# KiCad board input-output.Multi.kicad_pcb (continued)
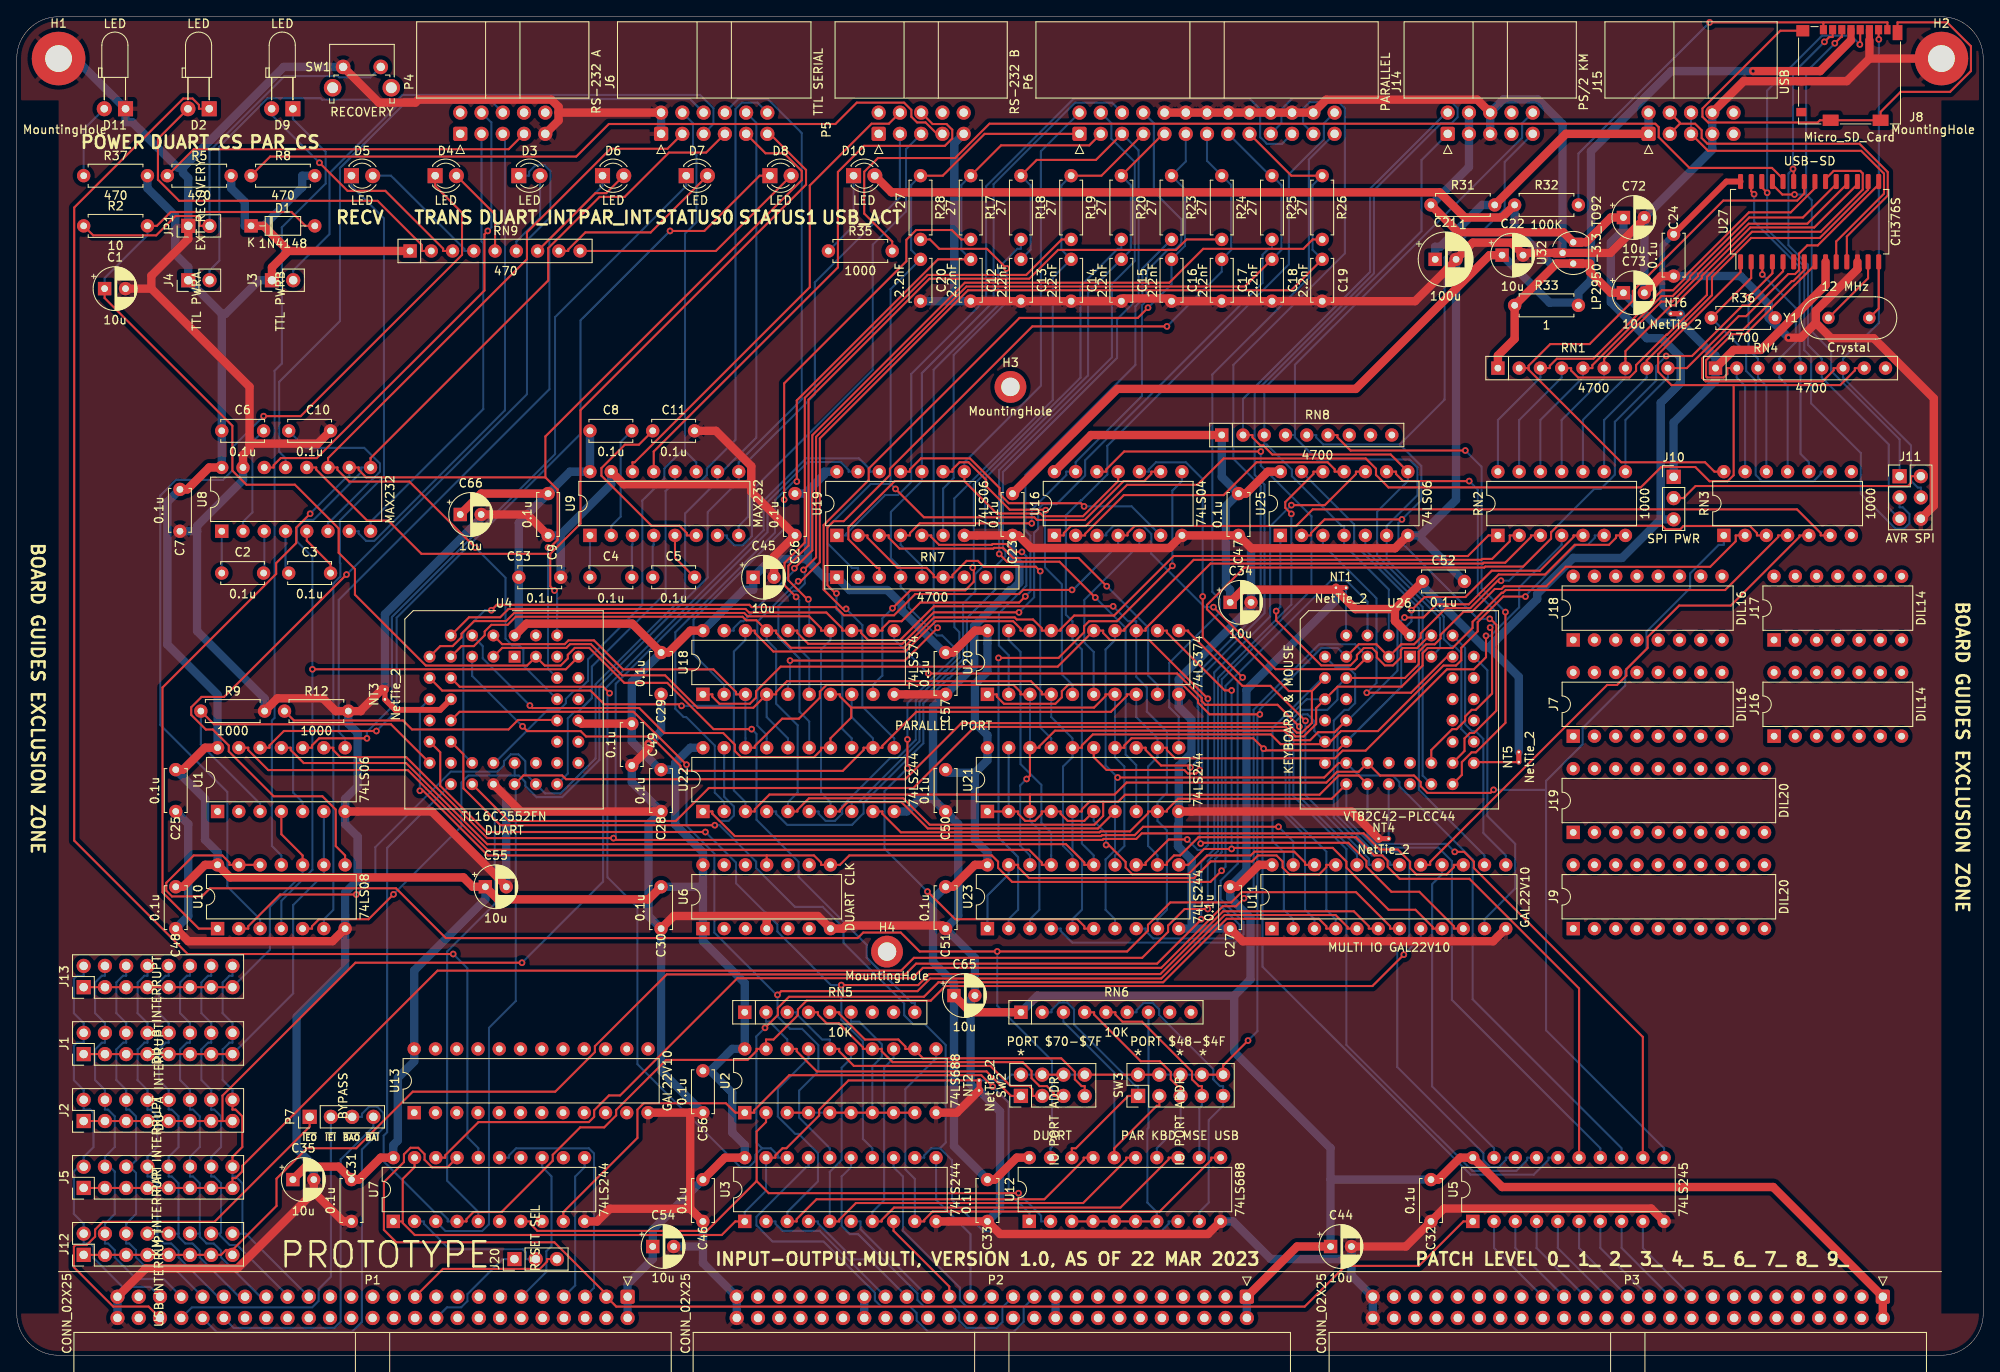
[diagram p0: board, top side]
## Routing (per net, layer and track width the routed paths; a pad name or vN(x,y) marks a point on that pad's centre or on a via; arc(x,y) is an arc through that point) (continued)
/parallel/~{STROBE}: length 114.6
  Top w0.25: R28.1 110.66,141 115.66,146 P6.1 ; U16.9 135.57,105.62 135.57,105.34 134.73,104.49 132.28,104.49 127.63,99.85 121.92,99.85 121.6,100.17 108.4,100.17 v1(105.01,103.56)
  Bottom w0.25: 104.42,104.15 v1(105.01,103.56) ; 104.42,104.15 104.42,127.42 C20.1 106.87,132.13 106.87,139.87 R28.1 ; 104.42,104.15 102.06,104.15 96.87,98.96 96.87,97.05 99.8,94.13 100.54,94.13 RN7.2
/USB-SD/RST: length 39.5
  Top w0.25: U27.2 207.26,128.76 R36.1
  Bottom w0.25: R36.1 206.67,119.83 206.67,117.65 207.81,116.51 207.81,105.22 208.53,104.49 214.73,104.49 215.57,105.34 215.57,105.62 RN3.9
/USB-SD/SDCK: length 82.1
  Top w0.25: v1(209.18,138.96) 208.53,139.6 U27.26 ; J8.5 220.29,156.73 v1(220.25,156.69)
  Bottom w0.25: v1(220.25,156.69) 219.2,157.74 215.74,157.74 209.18,151.18 v1(209.18,138.96) 209.18,134.6 213.6,130.17 213.6,120.15 214.43,119.32 214.43,113.79 220.37,107.85 220.37,102.96 224.52,98.81 225.55,98.81 226.18,99.44 226.18,100.56 225.37,101.36 225,101.36 J11.3
/USB-SD/SDCS: length 67.9
  Top w0.25: v1(216.02,157) 216.6,157.57 217,157.57 J8.2 ; v1(212.26,141.81) 212.34,141.72 U27.23
  Bottom w0.25: J11.5 223.71,101.29 223.71,108.87 215.7,116.87 RN4.6 215.7,119.13 214.05,120.77 214.05,130.35 211.71,132.69 211.71,141.26 v1(212.26,141.81) 212.26,153.24 v1(216.02,157)
/USB-SD/SDDI: length 64.7
  Top w0.25: v1(217.26,156.83) 218.01,157.57 218.09,157.57 J8.3 ; v1(212.44,138.75) 210.99,138.75 209.81,139.94 U27.25
  Bottom w0.25: 213.83,138.75 213.83,153.4 v1(217.26,156.83) ; 213.83,138.75 v1(212.44,138.75) ; 213.83,138.75 214.5,138.07 214.5,122.36 216.83,120.04 216.83,117.65 225,109.48 J11.1
/USB-SD/SDDO: length 99.5
  Top w0.25: U27.7 213.62,129.71 212.3,128.4 212.12,128.4 206.28,122.56 204.83,122.56 201.41,119.14 201.41,116.83 201.82,116.42 215.82,116.42 217.11,117.72 217.11,118 RN4.7 ; J8.7 222.5,157.32 v1(222.52,157.29)
  Bottom w0.25: J11.4 227.54,103.72 227.17,103.72 226.36,104.52 226.36,108.75 218.24,116.87 RN4.7 218.24,119.13 222.52,123.4 v1(222.52,157.29)
/USB-SD/UD+: length 40.5
  Top w0.25: J15.5 202.11,143.97 220.41,143.97 223.14,141.25 223.14,138.85 217.43,133.14 U27.10
  Bottom w0.25: J15.5 J15.6
/USB-SD/UD-: length 44.1
  Top w0.25: 198.75,147.21 200.57,147.21 201.35,146.43 201.35,145.5 202.03,144.82 220.2,144.82 223.59,141.43 223.59,138.62 218.69,133.73 U27.11 ; 198.75,147.21 198.75,147.33 J15.4 ; 198.75,147.21 J15.3
/USB-SD/~{INT-USB}: length 143.3
  Top w0.25: RN4.8 219.65,118 219.65,117.72 217.9,115.97 205.17,115.97 ; 205.17,115.97 205.17,105.19 204.46,104.48 202.28,104.48 200.59,106.18 196.51,106.18 194.08,103.74 163.92,103.74 162.43,105.23 162.43,105.97 161.21,107.2 144.23,107.2 141.08,104.04 132.67,104.04 127.75,99.13 125.97,99.13 125.13,98.28 125.13,98 U16.1 ; 205.17,115.97 197.74,115.97 196.15,117.56 196.15,119.64 206,129.49 U27.1
A0: length 18.2
  Bottom w0.25: P2.35 95.95,14.87 91.51,14.87 90.67,15.72 90.67,16 U3.2
A1: length 15.6
  Bottom w0.25: P2.33 101.9,11.46 100.05,11.46 95.75,15.77 95.75,16 U3.4
A2: length 13.5
  Bottom w0.25: P2.31 100.83,15.07 100.83,16 U3.6
A3: length 11.8
  Top w0.25: U3.8 104.78,14.87 111.44,8.21 P2.29
A4: length 18.3
  Bottom w0.25: U3.11 109.86,18.59 113.98,14.47 P2.27
A5: length 24.9
  Bottom w0.25: U3.13 104.78,22.49 105.91,21.37 105.91,14.88 112.71,8.07 112.71,6.61 113.49,5.82 115.34,5.82 P2.25
A6: length 37.7
  Bottom w0.25: U3.15 99.7,22.49 98.57,21.37 98.57,15.46 99.56,14.47 100.55,14.47 107.63,7.39 107.63,6.61 108.41,5.82 111.83,5.82 112.62,5.04 112.62,4.16 113.5,3.28 117.09,3.28 117.79,3.97 117.79,5.73 P2.23
A7: length 53.1
  Bottom w0.25: U3.17 94.62,22.49 94.34,22.49 88.39,16.55 88.39,15.53 90.32,13.6 96.42,13.6 102.55,7.46 102.55,6.57 103.29,5.82 106.75,5.82 107.54,5.04 107.54,4.16 108.89,2.8 119.13,2.8 120.33,4 120.33,5.73 P2.21
ACK: length 179
  Top w0.25: U11.10 171.73,51 171.73,51.28 167.61,55.4 164.28,55.4 161.29,58.39 161.29,59.09 159.12,61.26 141.57,61.26 v1(141.47,61.16) ; v1(141.36,69.96) 140.94,69.54 139.95,69.54 139.53,69.96 130.23,69.96 128.7,71.49 U21.15
  Bottom w0.25: P6.19 151.13,147.27 151.13,148.94 152.43,150.24 171.03,150.24 172.18,149.09 172.18,147.99 171.46,147.27 170.21,147.27 162.18,139.24 162.18,129.31 147.94,115.07 147.94,105.24 149.1,104.07 149.1,88.72 141.58,81.19 141.58,78.22 141.65,78.14 141.65,70.25 v1(141.36,69.96) 141.36,61.27 v1(141.47,61.16)
bA0: length 273.6
  Top w0.25: U11.4 156.49,51 156.49,51.28 155.6,52.17 144.58,52.17 137,44.59 110.14,44.59 108.41,42.85 92.29,42.85 90.95,41.52 90.95,40.68 v1(89.42,39.14) ; U4.10 52.93,79.91 70.08,79.91 v1(70.84,79.14) ; U26.10 165.89,80.96 167.54,82.61 167.54,84.1 168.42,84.99 169.45,84.99 170.15,85.68 170.15,86.13 172.88,88.86 173.9,88.86 176.63,91.6 177.43,91.6 177.75,91.92 182.78,91.92 185.1,94.25 202.36,94.25 205.41,97.3 205.41,98 RN3.2
  Bottom w0.25: 89.06,24.75 90.11,24.75 90.95,23.9 90.95,23.62 U3.18 ; 89.06,24.75 88.37,25.43 88.37,38.1 v1(89.42,39.14) ; 89.06,24.75 88.27,23.96 88.27,23.27 87.49,22.48 86.48,22.48 74.17,34.79 74.17,53.56 70.59,57.14 70.59,78.89 v1(70.84,79.14) ; U11.4 157.62,52.13 156.49,53.25 156.49,60.21 152.08,64.62 152.08,75.71 153.52,77.15 156.6,77.15 157.84,78.38 157.84,79.92 U26.10
bA1: length 162.1
  Top w0.25: v1(90.91,43.08) 91.36,43.53 107.64,43.53 109.15,45.04 136.77,45.04 144.36,52.62 157.6,52.62 159.03,51.19 159.03,51 U11.5 ; v1(80.04,70.6) 73.71,76.92 52.92,76.92 U4.14
  Bottom w0.25: U3.16 97.16,24.75 93.49,28.41 93.49,31.64 95.8,33.94 95.8,37.05 93.83,39.02 92.41,39.02 90.91,40.51 v1(90.91,43.08) 90.81,43.08 83.36,50.52 83.36,59.96 80.04,63.29 v1(80.04,70.6)
bA2: length 156.5
  Top w0.25: U4.15 50.61,72.07 50.61,68.06 56.13,62.55 v1(82.29,62.55) ; v1(98.53,44.25) 107.73,44.25 109.04,45.57 136.66,45.57 144.17,53.07 159.78,53.07 161.57,51.28 161.57,51 U11.6
  Bottom w0.25: U3.14 102.24,24.75 101.11,25.87 101.11,37.54 98.53,40.12 v1(98.53,44.25) 97.3,44.25 90.89,50.67 90.89,51.49 85.95,56.43 85.95,58.89 v1(82.29,62.55)
bA3: length 131.1
  Top w0.25: v1(83.42,63.36) 57.79,63.36 53.38,67.77 53.38,71.84 U4.16
  Bottom w0.25: 110.34,24.75 109.29,24.75 108.45,23.9 108.45,23.62 U3.12 ; 110.34,24.75 111.76,23.32 111.76,18.58 115.52,14.83 136.76,14.83 137.65,15.72 137.65,16 U12.8 ; 110.34,24.75 111.01,25.42 111.01,37.09 108.52,39.59 107.11,39.59 106.05,40.65 106.05,42.05 98.8,49.3 98.8,51.1 96.3,53.6 93,53.6 88.35,58.24 88.35,59.01 84,63.36 v1(83.42,63.36)
bA4: length 62.6
  Top w0.25: U3.9 108.45,16 108.45,16.18 109.45,17.18 136.58,17.18 142.73,23.34 142.73,23.62 U12.11
  Bottom w0.25: U3.9 107.32,21.08 106.19,22.22 106.19,31.82 109.86,35.49 U2.11
bA5: length 61.6
  Top w0.25: U3.7 103.37,16 103.37,16.18 104.84,17.66 131.9,17.66 137.65,23.42 137.65,23.62 U12.13
  Bottom w0.25: U3.7 102.24,17.13 103.65,18.54 103.65,34.37 104.78,35.49 U2.13
bA6: length 61.7
  Top w0.25: U3.5 98.29,16 98.29,16.2 100.28,18.2 127.43,18.2 132.57,23.34 132.57,23.62 U12.15
  Bottom w0.25: U3.5 97.16,21.92 98.57,23.34 98.57,34.37 99.7,35.49 U2.15
bA7: length 65.9
  Top w0.25: U3.3 93.21,16 93.21,16.28 95.57,18.65 122.81,18.65 127.49,23.34 127.49,23.62 U12.17
  Bottom w0.25: U3.3 92.08,17.13 95.75,20.79 95.75,24.15 93.44,26.46 93.03,26.46 90.95,28.54 90.95,31.82 94.62,35.49 U2.17
bD0: length 253.7
  Top w0.25: U20.3 119.95,79 119.95,79.28 119.11,80.13 96.77,80.13 95.97,79.33 95.97,78.6 93.46,76.09 91.46,76.09 88.21,72.84 88.21,72.62 U22.18 ; RN2.7 191.11,98 191.11,97.72 190.27,96.87 186.19,96.87 182.64,93.33 177.09,93.33 173.52,89.76 169.68,89.76 168.11,88.19 v1(165.84,88.19) ; U26.14 157.48,74.48 155.52,74.48 154.56,73.52 152.6,73.52 151.46,74.66 124.07,74.66 122.21,72.8 122.21,72.62 U21.18 121.08,69.28 v1(120.68,68.88) ; U4.2 58,85 65.49,85 65.94,85.45 68.98,85.45 72.45,81.99 83.25,81.99 85.95,79.28 85.95,79 U18.3
  Bottom w0.25: v1(165.84,88.19) 165,87.35 165,81.84 159.04,75.88 U26.14 157.84,74.84 157.84,64.49 162.11,60.22 165.25,60.22 166.4,59.07 166.4,50.03 164.97,48.6 164.97,34.45 175.27,24.15 175.27,23.29 176.07,22.49 177.11,22.49 177.95,23.34 177.95,23.62 U5.18 ; U18.3 U22.18 ; v1(120.68,68.88) 119.92,68.11 119.92,60.91 121.08,59.75 U23.18 ; U20.3 U21.18
bD1: length 256.6
  Top w0.25: U21.16 127.29,72.62 127.29,72.9 128.6,74.21 149.86,74.21 151.03,73.05 156.05,73.05 U26.15 156.98,73.34 158.25,74.61 162.66,74.61 170.5,82.45 171.99,82.45 172.62,83.08 172.62,84.57 174.58,86.54 174.58,87.64 177.63,90.69 v1(180.29,90.69) ; U4.3 58.01,84.55 65.67,84.55 66.12,85 68.61,85 72.34,81.27 77.48,81.27 81.35,77.4 88.02,77.4 U18.4 90.75,79 90.75,79.28 92.04,80.58 121.2,80.58 122.49,79.28 122.49,79 U20.4
  Bottom w0.25: U22.16 92.16,73.75 89.62,76.29 U18.4 ; U5.17 180.49,23.62 180.49,23.34 179.2,22.04 173.95,22.04 158.89,37.1 158.89,60.52 152.55,66.87 152.55,75.46 153.69,76.61 154.26,76.61 155.05,75.81 155.05,74.63 U26.15 ; v1(180.29,90.69) 180.29,90.81 186.36,96.87 187.73,96.87 188.57,97.72 188.57,98 RN2.6 ; U20.4 123.62,76.29 126.16,73.75 U21.16 126.16,71.49 125.03,70.37 125.03,60.87 126.16,59.75 U23.16
bD2: length 258.8
  Top w0.25: v1(61.32,77.66) 61.62,77.37 74.4,77.37 77.38,74.38 84.42,74.38 85.81,72.99 85.81,72.23 86.55,71.49 95.27,71.49 96.11,72.34 96.11,72.62 U22.14 97.24,73.75 99.71,76.22 99.71,77.42 ; v1(166.67,89.06) 168.24,90.64 173.12,90.64 176.26,93.78 182.01,93.78 186.03,97.81 186.03,98 RN2.5 ; 99.71,77.42 98.37,78.77 98.37,79 U18.7 ; 99.71,77.42 128.74,77.42 130.11,78.79 130.11,79 U20.7 ; U26.16 157.84,72.3 149.21,72.3 v1(149,72.51) 147.76,73.75 133.22,73.75 132.37,72.9 132.37,72.62 U21.14
  Bottom w0.25: v1(149,72.51) 148.87,72.39 148.87,46.45 173.73,21.59 181.29,21.59 183.03,23.34 183.03,23.62 U5.16 ; U4.4 55.69,84.77 55.69,83.3 v1(61.32,77.66) ; U23.14 131.24,59.75 132.37,60.87 132.37,70.37 131.24,71.49 U21.14 U20.7 ; U26.16 165.45,79.91 165.45,86.5 166.67,87.73 v1(166.67,89.06)
bD3: length 264.7
  Top w0.25: 156.34,71.36 157.53,71.36 158.45,72.27 161.19,72.27 170.91,82 174.13,82 175.58,83.44 v1(175.58,86) ; 156.34,71.36 138.43,71.36 137.45,72.34 137.45,72.62 U21.12 ; 156.34,71.36 U26.17 ; U20.8 132.65,79 132.65,78.82 130.75,76.91 107.5,76.91 103.45,72.86 103.45,72.62 U22.12 101.19,72.62 101.19,72.34 98.71,69.85 79.71,69.85 79.31,70.25 79.31,70.46 75.81,73.96 68.03,73.96 67.38,74.61 61.01,74.61 v1(60.44,75.18) ; U5.15 186.7,43.85 173.6,56.95 165.26,56.95 163.83,58.39 163.83,59.09 163.17,59.75 162.22,59.75 160.04,61.93 141.21,61.93 139.03,59.75 138.29,59.75 137.45,58.9 137.45,58.62 U23.12
  Bottom w0.25: U23.12 136.32,59.75 135.19,60.87 135.19,70.37 136.32,71.49 U21.12 136.32,73.75 133.78,76.29 U20.8 ; U4.5 54.42,81.2 v1(60.44,75.18) ; U18.8 99.78,76.29 102.32,73.75 U22.12 ; RN2.4 184.62,96.87 179.54,91.8 179.54,89.41 176.13,86 v1(175.58,86)
bD4: length 302.5
  Top w0.25: U4.6 54.05,88.21 57.77,88.21 58.77,89.21 87.09,89.21 87.52,88.78 96.75,88.78 98.65,86.88 98.65,86.62 U18.13 100.91,86.62 100.91,86.34 101.75,85.49 105.57,85.49 109.6,89.53 v1(131.02,89.53) ; U26.18 157.14,66.52 138.78,66.52 137.45,65.19 137.45,65 U21.9 135.19,65 135.19,64.78 133.04,62.62 129.51,62.62 129.4,62.51 105.65,62.51 103.45,64.72 103.45,65 U22.9 ; RN2.3 180.95,98 180.95,97.82 177.87,94.74 175.31,94.74 175.21,94.63 142.65,94.63 134.91,86.88 134.91,86.62 U20.13
  Bottom w0.25: U5.14 189.24,24.75 171.5,42.49 171.5,59.07 169.89,60.67 162.29,60.67 158.88,64.09 U26.18 ; v1(131.02,89.53) 132.8,87.75 133.78,87.75 U20.13 133.78,81.09 135.05,79.82 135.05,76.94 137.45,74.54 137.45,67.25 136.32,66.13 U21.9 136.32,63.87 137.45,62.75 137.45,53.25 136.32,52.13 U23.9
bD5: length 293.1
  Top w0.25: v1(131.56,69.06) 156.24,69.06 157.98,70.8 U26.19 ; U4.7 50.61,84.77 52.09,84.77 53.15,85.83 53.15,86.25 54.67,87.76 58.48,87.76 59.44,88.73 86.93,88.73 87.33,88.33 94.69,88.33 96.11,86.9 96.11,86.62 U18.14 ; U22.7 98.37,65 98.37,65.19 99.3,66.13 105.72,66.13 108.87,62.97 129.21,62.97 U21.7 ; U20.14 132.37,86.62 132.37,86.8 140.65,95.08 175.02,95.08 175.12,95.19 176.31,95.19 178.41,97.3 178.41,98 RN2.2
  Bottom w0.25: U5.13 191.78,24.75 173.99,42.54 173.99,59.26 165.23,68.02 165.23,68.51 164.44,69.3 160.38,69.3 U26.19 ; U18.14 97.24,85.49 96.11,84.37 96.11,67.25 97.24,66.13 U22.7 ; U23.7 131.24,52.13 130.11,53.25 130.11,59.27 131.24,60.39 U21.7 131.24,68.74 v1(131.56,69.06) 130.11,70.5 130.11,84.37 131.24,85.49 U20.14
bD6: length 318.1
  Top w0.25: v1(171.84,60.18) 172.96,60.18 174.13,59.01 174.13,58.24 194.32,38.05 U5.12 ; 129.83,66.16 129.83,64.46 128.78,63.42 109.1,63.42 105.94,66.58 94.67,66.58 93.29,65.19 93.29,65 U22.5 ; 129.83,66.16 131.6,66.16 132.45,67.01 155.69,67.01 157.97,69.3 160.38,69.3 U26.20 ; 129.83,66.16 128.19,66.16 127.29,65.25 127.29,65 U21.5 ; RN2.1 175.87,98 173.41,95.53 138.24,95.53 131.13,88.42 126.37,88.42 124.75,86.8 124.75,86.62 U20.17 122.49,86.62 122.49,86.9 121.45,87.95 119.51,87.95 119.26,88.2 109.63,88.2 106,84.57 92.51,84.57 90.75,86.34 90.75,86.62 U18.17 88.38,87.86 87.17,87.86 86.75,88.28 59.63,88.28 58.66,87.31 56.72,87.31 55.92,86.52 55.92,86.06 54.63,84.77 53.15,84.77 U4.8
  Bottom w0.25: v1(171.84,60.18) 170.89,61.12 162.48,61.12 161.42,62.18 U26.20 ; U22.5 92.16,66.13 93.32,67.28 93.32,75.31 90.75,77.88 90.75,84.37 89.62,85.49 U18.17 ; U23.5 126.16,52.13 127.3,53.26 127.3,59.25 126.16,60.38 U21.5
bD7: length 304.3
  Top w0.25: 121.08,67.03 89.95,67.03 88.21,65.28 88.21,65 U22.3 ; 121.08,67.03 131.19,67.03 132.63,68.46 156.5,68.46 157.79,69.75 160.37,69.75 U26.21 162.92,69.3 166.98,69.3 167.77,68.51 167.77,68.03 168.57,67.22 176.12,67.22 v1(176.48,67.59) ; 121.08,67.03 U21.3 ; v1(79.45,77.63) 79.26,77.82 70.2,77.82 68.56,79.46 50.84,79.46 U4.9 ; U20.18 119.95,86.62 119.95,86.87 119.08,87.75 109.81,87.75 106.18,84.12 90.42,84.12 88.21,86.34 88.21,86.62 U18.18
  Bottom w0.25: RN3.1 204,96.87 203.38,96.87 199.97,93.46 199.97,91.7 194.75,86.48 194.75,84.36 192.21,81.82 192.21,80.06 187.13,74.98 187.13,73.03 182.75,68.66 182.75,67.59 ; 182.75,67.59 v1(176.48,67.59) ; 182.75,67.59 182.75,38.85 196.86,24.75 U5.11 ; U23.3 121.08,52.13 122.21,53.25 122.21,62.75 121.08,63.87 U21.3 ; U18.18 87.08,85.49 85.7,84.11 85.7,77.63 ; 85.7,77.63 v1(79.45,77.63) ; 85.7,77.63 85.7,67.51 87.08,66.13 U22.3
bRESET: length 188.8
  Top w0.25: RN3.6 215.57,98 215.57,98.28 212.74,101.11 154.87,101.11 152.89,99.13 133.59,99.13 132.75,98.28 132.75,98 U16.4 ; v1(126.11,91.49) 120.28,91.49 119.78,90.99 107.38,90.99 104.83,88.45 98.85,88.45 97.87,89.43 87.82,89.43 87.55,89.71 57.37,89.71 v1(56.72,89.05)
  Bottom w0.25: v1(56.72,89.05) 55.95,89.05 53.36,86.47 53.36,71.86 U4.21 ; U16.4 131.62,96.87 126.23,91.49 v1(126.11,91.49)
CLK_DUART: length 164.5
  Top w0.25: v1(48.17,67.48) 48.56,67.48 56.3,59.75 89.62,59.75 ; 89.62,59.75 U6.11 ; 89.62,59.75 95.27,59.75 96.11,58.9 96.11,58.62 U6.8 98.37,58.62 99.49,59.75 116.53,59.75 117.27,59 117.27,58.26 118.95,56.59 142.65,56.59 v1(143.98,57.92)
  Bottom w0.25: v1(143.98,57.92) 144.45,58.39 144.45,80.01 157.03,92.59 158.91,92.59 161.42,90.08 U26.4 ; U4.11 48.17,77.25 v1(48.17,67.48)
D0: length 11.4
  Bottom w0.25: P3.33 176.54,12.82 U5.2
D1: length 11.4
  Bottom w0.25: U5.3 179.08,12.82 P3.31
D2: length 11.4
  Bottom w0.25: U5.4 181.62,12.82 P3.29
D3: length 11.4
  Bottom w0.25: P3.27 184.16,12.82 U5.5
D4: length 11.4
  Bottom w0.25: P3.25 186.7,12.82 U5.6
D5: length 11.4
  Bottom w0.25: U5.7 189.24,12.82 P3.23
D6: length 11.4
  Bottom w0.25: P3.21 191.78,12.82 U5.8
D7: length 11.4
  Bottom w0.25: P3.19 194.32,12.82 U5.9
INT_KM: length 56.1
  Bottom w0.25: U25.13 159.82,99.34 159.82,96.99 167.55,89.25 167.55,67.59 175.4,59.75 U11.14
INT_PAR: length 205.5
  Top w0.25: U11.15 171.73,58.62 171.73,58.34 170.87,57.48 167.26,57.48 166.51,58.22 166.51,58.98 165.04,60.45 162.88,60.45 160.95,62.38 134.44,62.38 133.78,61.72 129.88,61.72 129.76,61.6 71.53,61.6 v1(71.31,61.82) 56.22,61.82 46.54,71.49 38.67,71.49 37.83,72.34 37.83,72.62 U1.9
  Bottom w0.25: U19.13 99.41,105.62 99.41,105.82 98.47,106.77 94.51,106.77 89.71,101.97 89.71,98.4 71.58,80.26 71.58,62.09 v1(71.31,61.82)
ONE: length 5.7
  Bottom w0.25: NT1.2 158.85,86.07 U26.6
P24-OB: length 36.1
  Bottom w0.25: U26.39 175.74,81.88 175.74,64.46 179.07,61.13 179.07,55.79 175.4,52.13 U11.11
P25-BF: length 30.3
  Bottom w0.25: U26.40 173.08,84.54 173.08,75.44 173.9,74.61 174.32,74.61 175.25,73.68 175.25,62.43 177.94,59.75 U11.13
PARINT: length 67.7
  Top w0.25: v1(145.18,79.47) 144.36,79.47 137.45,86.38 137.45,86.62 U20.12 ; U23.11 139.99,58.62 141.89,60.52 v1(145.18,60.52) 145.3,60.65 157.27,60.65 158.89,59.02 158.89,58.3 163.94,53.25 167.15,53.25 169.19,51.21 169.19,51 U11.9
  Bottom w0.25: v1(145.18,79.47) v1(145.18,60.52)
ZERO: length 294.3
  Top w0.25: v1(147.14,37.62) 144.23,34.72 144.16,34.72 SW3.10 SW3.8 ; SW2.8 SW3.2 SW3.4 ; v1(197.11,119.45) 200.2,119.45 206.23,125.47 206.97,125.47 211.07,129.58 U27.5 ; U3.19 90.67,23.62 90.67,23.9 91.51,24.75 91.97,24.75 95.89,28.66 95.89,29.35 99.39,32.85 NT2.2 ; U7.19 47.54,22.49 46.13,21.08 46.13,16 ; U20.1 117.13,79 117.13,78.72 117.97,77.87 124.11,77.87 124.89,78.65 124.89,79.39 125.66,80.15 139.32,80.15 141.17,78.31 141.17,77.99 142.55,76.61 v1(148.55,76.61) ; U7.1 46.13,16 ; 46.13,16 46.13,15.81 47.57,14.38 84.25,14.38 85.87,16 U3.1 ; U26.8 160.37,84.99 162.47,84.99 U26.3 165.45,84.99 166.99,84.99 167.77,85.77 167.77,86.28 170.8,89.31 173.71,89.31 176.98,92.58 v1(177.37,92.58) ; SW2.6 SW2.4
  Bottom w0.25: U3.19 89.54,19.67 87,17.13 U3.1 ; v1(177.37,92.58) 178.33,92.58 183.35,97.6 183.35,98.4 188.51,103.56 189.29,103.56 190.97,105.24 190.97,111.57 195.91,116.5 195.91,118.24 v1(197.11,119.45) ; SW2.4 SW2.2 118.82,33.54 118.13,32.85 NT2.2 ; v1(147.14,37.62) 148.26,38.74 148.26,76.32 v1(148.55,76.61) 148.55,77.2 155.89,84.54 157.84,84.54 U26.8 ; SW2.8 SW2.6 ; SW3.4 SW3.6 SW3.8
~{BAI}: length 40.9
  Bottom w0.25: P7.4 42.62,27.32 38.71,23.41 38.71,4.03 37.96,3.27 25.93,3.27 P1.40
~{BAO}: length 51.1
  Bottom w0.25: P7.3 41.26,28.5 41.26,28.87 42.09,29.7 43.08,29.7 43.82,28.97 43.82,27.17 41.25,24.61 41.25,4 40.01,2.76 23.9,2.76 P1.42
~{bIORQ}: length 80.9
  Top w0.25: v1(116.63,32.11) 115.26,33.48 92.32,33.48 88.13,29.28 88.13,29 U2.1 85.87,29 84.75,30.13 74.94,30.13 74.17,29.36 74.17,25.98 65.32,17.13 U7.9
  Bottom w0.25: U12.1 121,17.13 120.87,17.13 118.53,19.46 118.53,30.21 v1(116.63,32.11)
~{bM1}: length 77.4
  Top w0.25: 88.41,20.82 88.41,26.75 89.54,27.87 U2.2 ; 88.41,20.82 82.46,14.87 62.22,14.87 61.37,15.72 61.37,16 U7.7 ; 88.41,20.82 89.86,19.38 v1(119.71,19.38)
  Bottom w0.25: U12.2 122.41,16 122.41,16.67 v1(119.71,19.38)
~{bRD}: length 289.8
  Top w0.25: 154.77,79.39 154.77,75.58 154.3,75.11 154.26,75.11 153.57,74.42 152.97,74.42 151.83,75.56 112.89,75.56 106.18,68.86 65.63,68.86 65.18,69.31 60.55,69.31 U4.24 ; 154.77,79.39 U26.9 ; 154.77,79.39 152.01,79.39 142.23,89.17 142.23,89.69 146.7,94.16 175.37,94.16 175.49,94.28 180.01,94.28 183.35,97.61 183.35,98.37 184.13,99.15 196.65,99.15 197.07,98.73 198.78,98.73 199.18,99.13 207.11,99.13 207.95,98.28 207.95,98 RN3.3
  Bottom w0.25: U7.3 51.23,14.85 55.62,14.85 56.43,15.66 56.43,39.14 59.64,42.34 59.64,68.12 U4.24 ; U11.2 152.54,52.13 151.41,53.25 151.41,60.12 150.06,61.47 150.06,74.97 156.05,80.96 U26.9
~{bRESET}: length 192.6
  Top w0.25: v1(143.01,89.42) 150.42,82.01 159.93,82.01 U26.5 ; U7.18 51.21,23.62 51.21,23.9 55.18,27.87 68.37,27.87 69,28.51 69,29.29 70.77,31.06 72.1,31.06 86.12,45.08 107.05,45.08 108.28,46.31 136.77,46.31 144.14,53.68 145.71,53.68 v1(146.66,54.63)
  Bottom w0.25: v1(143.01,89.42) 141.97,89.42 135.57,95.82 135.57,98.19 134.64,99.13 131.05,99.13 130.21,98.28 130.21,98 U16.3 ; v1(146.66,54.63) 147.81,55.77 147.81,77.15 155.64,84.99 159.93,84.99 U26.5
~{BUS_EN}: length 38.6
  Bottom w0.25: U11.16 170.32,57.49 169.14,56.32 169.14,32.14 176.54,24.75 U5.19
~{bWR}: length 266
  Top w0.25: U4.20 58.82,63.86 78.76,63.86 82.7,67.81 107.16,67.81 114.46,75.11 151.64,75.11 152.78,73.97 153.8,73.97 155.28,75.45 155.28,77.36 U26.11 157.84,79.92 165.49,79.92 168,82.43 168,83.93 168.61,84.54 171.57,84.54 173.97,86.94 173.97,87.67 177.45,91.15 177.61,91.15 177.93,91.47 204.15,91.47 210.49,97.81 210.49,98 RN3.4
  Bottom w0.25: U26.11 154.15,78.42 151.63,75.9 151.63,64.44 153.95,62.11 153.95,53.25 155.08,52.13 U11.3 ; U7.5 55.16,17.13 51.43,20.85 51.43,48.26 57.13,53.96 57.13,65.55 U4.20
~{CS_DUART}: length 192.8
  Top w0.25: v1(165.76,47.89) 162.01,44.14 110.97,44.14 109.22,42.39 94.39,42.39 93.35,41.35 93.35,40.66 90.44,37.75 89.54,37.75 U2.19 88.41,36.62 88.41,36.39 87.34,35.31 77.62,35.31 71.63,29.32 71.63,28.67 70.2,27.24 67.33,27.24 64.05,23.96 64.05,23.24 57.93,17.13 54.59,17.13 53.75,16.28 53.75,16 U7.4
  Bottom w0.25: v1(165.76,47.89) 167.74,49.87 167.78,49.87 U11.8 ; U4.18 44.27,60.65 44.27,26.67 43.85,26.25 43.85,23.17 49.9,17.13 50.65,17.13 51.49,16.28 51.49,16 U7.4
~{CS_KM}: length 33.3
  Bottom w0.25: U11.18 164.11,58.62 164.11,58.9 163.27,59.75 161.95,59.75 157.39,64.31 157.39,75.87 158.67,77.15 159.14,77.15 159.94,77.95 159.94,81.39 159.1,82.23 157.61,82.23 U26.7
~{CS_PAR}: length 198.6
  Top w0.25: U11.7 164.11,51 164.11,51.28 160.04,55.36 146.36,55.36 145.13,54.13 137.86,54.13 135.18,51.45 135.18,50.76 132.69,48.27 v1(117.17,48.27) 107.9,48.27 105.64,50.53 101.16,50.53 100.5,49.87 51.27,49.87 45.32,55.82 23.1,55.82 22.13,54.84 18.55,54.84 17.87,55.53 17.87,56.47 21.14,59.75 24.57,59.75 25.41,58.9 25.41,58.62 U10.13 U10.12
  Bottom w0.25: U12.19 123.54,24.75 123.72,24.92 123.72,35.22 117.17,41.77 v1(117.17,48.27)
~{CS_US}: length 64.2
  Top w0.25: U11.17 168.91,58.62 168.91,58.97 190.05,80.12 191.24,80.12 192.35,81.23 192.35,82.01 194.89,84.55 194.89,85.85 198.66,89.62 204.83,89.62 213.03,97.82 213.03,98 RN3.5